# Altium PCB H616_PCB.PcbDoc
Units mil, origin at the board's own origin, x right, y up, seen from the top; angles counter-clockwise.
Board outline 6000 x 4000 mil, 2 copper layers (Top Layer, Bottom Layer); 145 components, 200 nets, 1370 pads, 0 vias.
Unrouted connection lines stored in the file: 662.
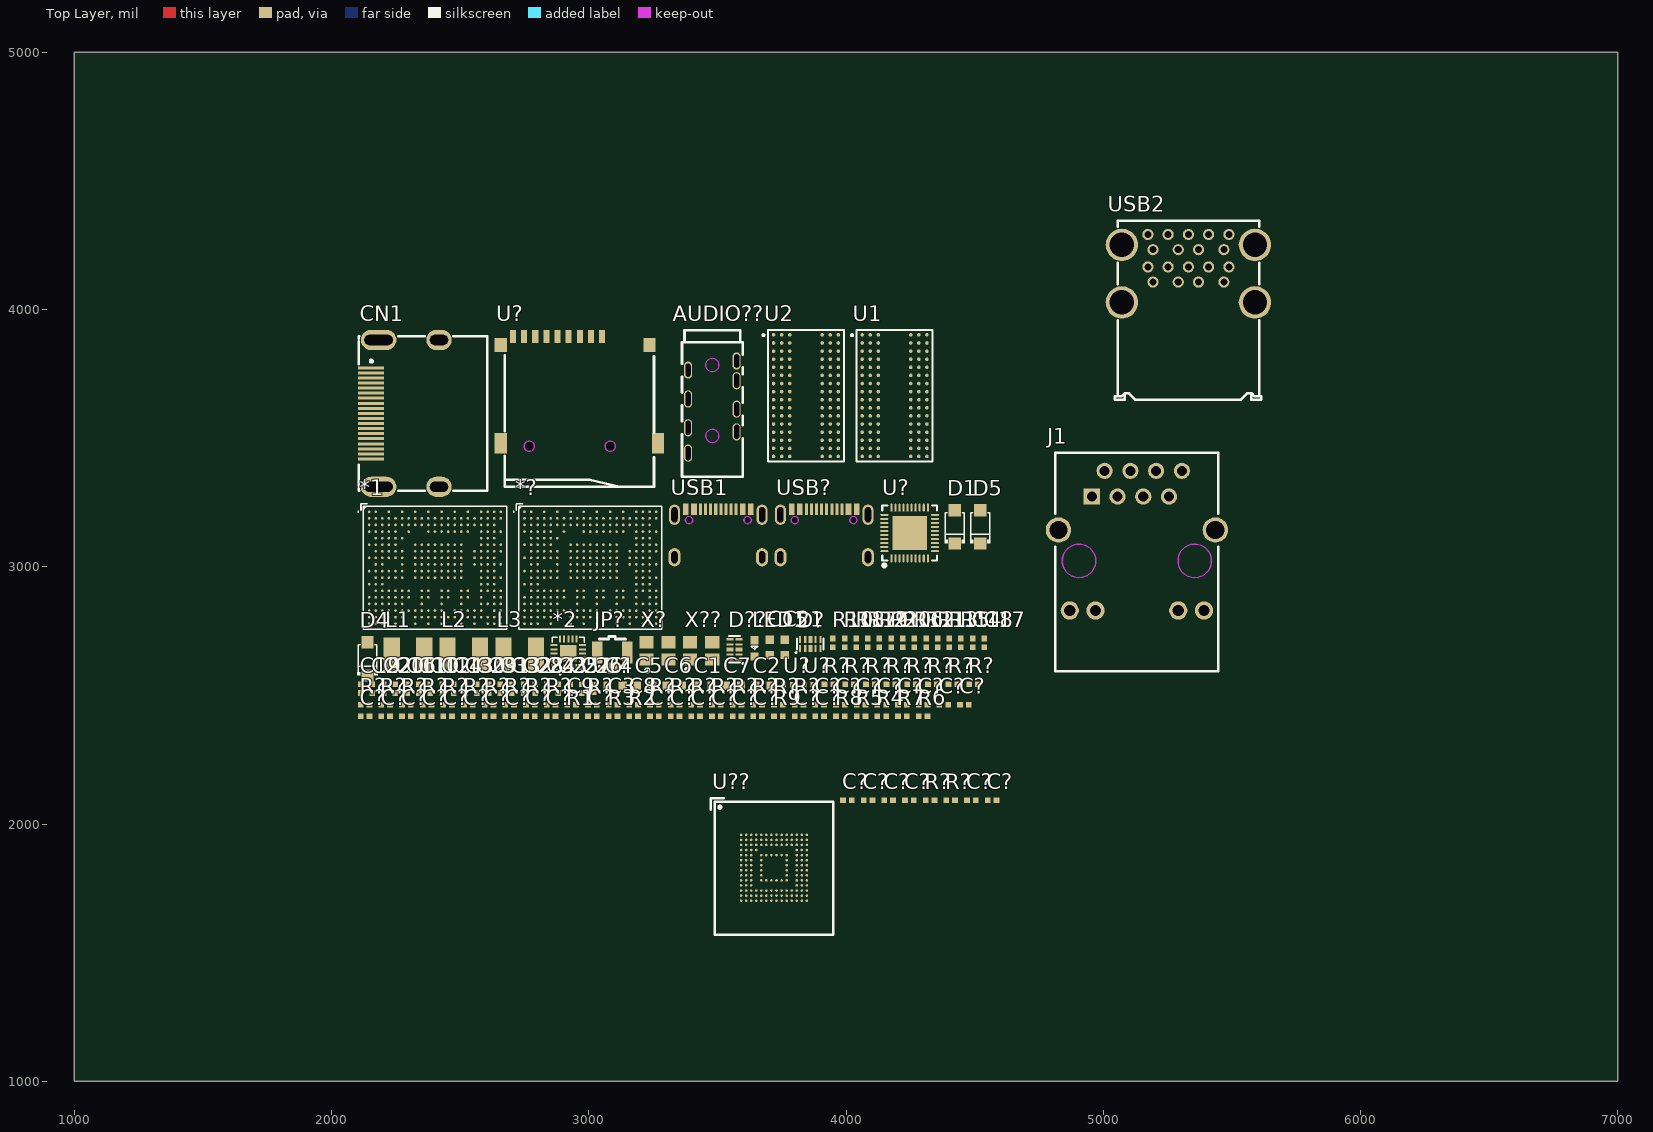
[diagram p0: Top Layer view]
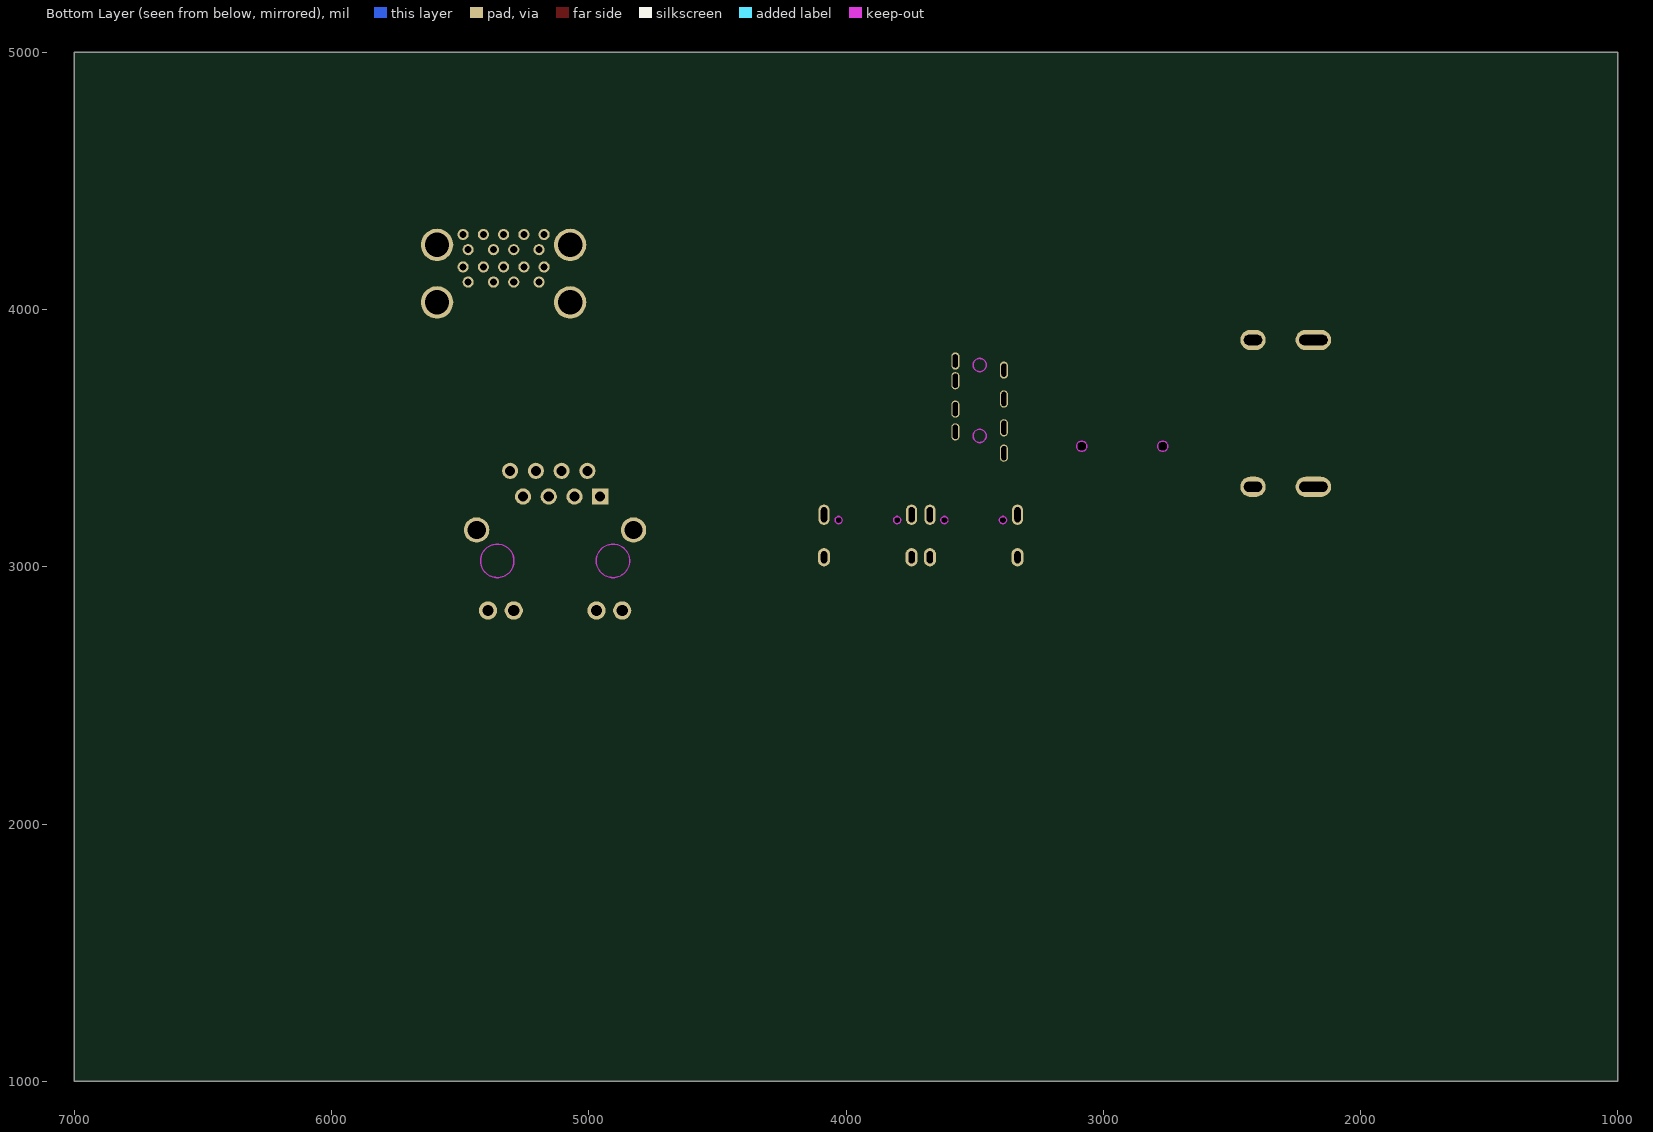
[diagram p1: Bottom Layer view, seen from below]

## Layer stack, top to bottom
Top Solder: solder mask 0.4, Solder Resist, Dk 3.5
Top Layer: signal copper 1.4
Dielectric 1: dielectric 12.6, FR-4, Dk 4.8
Bottom Layer: signal copper 1.4
Bottom Solder: solder mask 0.4, Solder Resist, Dk 3.5

## Board outline
1000,1000 7000,1000 7000,5000 1000,5000

## Design rules (kind name [scope] priority, off if disabled: settings)
Clearance [All] p1: gap=10 ignorepadtopadclearanceinfootprint=FALSE
PolygonConnect [All] p1: connectstyle=Relief reliefconductorwidth=10 reliefentries=4 polygonreliefangle="90 Angle" airgapwidth=10
RoutingVias [All] p1: holewidth=28 width=50 viastyle="Through Hole" minholewidth=28 minwidth=50 maxholewidth=28 maxwidth=50
SolderMaskExpansion [All] p1: expansion=4 istentingtop=FALSE
SupplyNets "Schematic Supply Nets_8" [InNet('VCC_DRAM')] p1: voltage=0.000
SupplyNets "Schematic Supply Nets_7" [InNet('VDD_3V3')] p2: voltage=0.000
SupplyNets "Schematic Supply Nets_6" [InNet('GND')] p3: voltage=0.000
SupplyNets "Schematic Supply Nets_5" [InNet('VDD_GPU')] p4: voltage=0.000
SupplyNets "Schematic Supply Nets_4" [InNet('HDMI_5V')] p5: voltage=0.000
SupplyNets "Schematic Supply Nets_3" [InNet('VCC_5V')] p6: voltage=0.000
SupplyNets "Schematic Supply Nets_2" [InNet('VDD_1V8')] p7: voltage=0.000
SupplyNets "Schematic Supply Nets_1" [InNet('VBUS')] p8: voltage=0.000
SupplyNets "Schematic Supply Nets" [InNet('VDD_CPU')] p9: voltage=0.000
Width [All] p1: maxlimit=10 minlimit=10 preferedwidth=10
30 further rules are at their usual default settings.

## Classes and differential pairs
component class WiFi_TF_EMMC: C? JP? R? U? U?? X?
component class "SoC SDIO": *? R?
component class "SoC ETH USB HDMI HPJ": AUDIO?? C32 C33 C? CN1 D4 D5 D? D?? J1 R14 R15 R16 R17 R18 R19 R20 R21 R? U? U?? USB2 USB? X??
component class "SoC_PWR & POWER": *2 C1 C2 C3 C4 C5 C6 C7 C8 C9 C10 C11 C12 C13 C14 C15 C16 C17 C18 C19 C20 C21 C22 C23 C24 C25 C26 C27 C28 C29 C30 C31 D1 L1 L2 L3 LED1 R7 R8 R9 R10 R11 R12 R13 USB1
component class "SoC_DDR & DDR3": *1 R1 R2 R3 R4 R5 R6 U1 U2

## Components (designator, comment, footprint, x,y, rotation, side; value= is the part's Value field where it differs from the comment)
*1 "H616-BGA-190823" BGA-284_L14.0-W12.0-P0.65-TL 2402.21,2996.17 r0 top
*2 "AXP1530" QFN-20_L3.0-W3.0-P0.40-BL-EP1.7 2920.35,2663.45 r0 top
*? "H616-BGA-190823" BGA-284_L14.0-W12.0-P0.65-TL 3006.01,2996.17 r0 top
AUDIO?? "PJ-3930-8A" AUDIO-TH_PJ-3930-8A 3480.46,3620.83 r0 top
C1 "47uF" C0603 3447.6,2537.46 r0 top
C2 "47uF" C0603 3677.74,2537.46 r0 top
C3 "4.7uF" C0402 3095.06,2463.68 r0 top
C4 "47uF" C0603 3102.39,2537.46 r0 top
C5 "47uF" C0603 3217.46,2537.46 r0 top
C6 "47uF" C0603 3332.53,2537.46 r0 top
C7 "47uF" C0603 3562.67,2537.46 r0 top
C8 "1uF" C0402 3175.41,2463.68 r0 top
C9 "100nF" C0402 2934.36,2463.68 r0 top
C10 "100nF" C0402 2338.73,2526.98 r90 top
C11 "100nF" C0402 2293.47,2526.98 r90 top
C12 "100nF" C0402 2383.99,2526.98 r90 top
C13 "100nF" C0402 2474.51,2526.98 r90 top
C14 "100nF" C0402 2429.25,2526.98 r90 top
C15 "22uF" C0603 3703.6,2686.41 r90 top
C16 "100nF" C0402 2248.21,2526.98 r90 top
C17 "100nF" C0402 4537.23,2704.46 r90 top
C18 "100nF" C0402 4491.97,2704.46 r90 top
C19 "100nF" C0402 2112.43,2526.98 r90 top
C20 "100nF" C0402 2202.95,2526.98 r90 top
C21 "22uF" C0603 3761.61,2686.41 r90 top
C22 "100nF" C0402 2157.69,2526.98 r90 top
C23 "100nF" C0402 2836.59,2526.98 r90 top
C24 "100nF" C0402 2791.33,2526.98 r90 top
C25 "100nF" C0402 2881.85,2526.98 r90 top
C26 "100nF" C0402 2972.37,2526.98 r90 top
C27 "100nF" C0402 2927.11,2526.98 r90 top
C28 "100nF" C0402 2746.07,2526.98 r90 top
C29 "100nF" C0402 2565.03,2526.98 r90 top
C30 "100nF" C0402 2519.77,2526.98 r90 top
C31 "100nF" C0402 2610.29,2526.98 r90 top
C32 "100nF" C0402 2700.81,2526.98 r90 top
C33 "100nF" C0402 2655.55,2526.98 r90 top
C? "2.2uF" C0402 4568.36,2092.57 r0 top
C? "2.2uF" C0402 4488.01,2092.57 r0 top
C? "2.2uF" C0402 4086.26,2092.57 r0 top
C? "2.2uF" C0402 4005.91,2092.57 r0 top
C? "2.2uF" C0402 4246.96,2092.57 r0 top
C? "2.2uF" C0402 4166.61,2092.57 r0 top
C? "4.7uF" C0402 3416.46,2418.42 r0 top
C? "470nF" C0402 3336.11,2418.42 r0 top
C? "220nF" C0402 3577.16,2418.42 r0 top
C? "1uF" C0402 3496.81,2418.42 r0 top
C? "1uF" C0402 3255.76,2418.42 r0 top
C? "22pF" C0402 3014.71,2418.42 r0 top
C? "1uF" C0402 3657.51,2418.42 r0 top
C? "470nF" C0402 3898.56,2418.42 r0 top
C? "22pF" C0402 3818.21,2418.42 r0 top
C? "4.7uF" C0402 4380.66,2463.68 r0 top
C? "2.2uF" C0402 4300.31,2463.68 r0 top
C? "100nF" C0402 2130.86,2418.42 r0 top
C? "100nF" C0402 4461.01,2463.68 r0 top
C? "1uF" C0402 4219.96,2463.68 r0 top
C? "1uF" C0402 3978.91,2463.68 r0 top
C? "22pF" C0402 3898.56,2463.68 r0 top
C? "1uF" C0402 4139.61,2463.68 r0 top
C? "100nF" C0402 4059.26,2463.68 r0 top
C? "1uF" C0402 2693.31,2418.42 r0 top
C? "1uF" C0402 2612.96,2418.42 r0 top
C? "1uF" C0402 2854.01,2418.42 r0 top
C? "NC" C0402 2371.91,2418.42 r0 top
C? "NC" C0402 2452.26,2418.42 r0 top
C? "100nF" C0402 2211.21,2418.42 r0 top
C? "1uF" C0402 2291.56,2418.42 r0 top
C? "22pF" C0402 2532.61,2418.42 r0 top
C? "1uF" C0402 2773.66,2418.42 r0 top
CN1 "KH-HDMI-19P-Cu" HDMI-SMD_KH-HDMI-19P-CU 2285.47,3596.2 r90 top
D1 "DSK24" SOD-123FL_L2.7-W1.8-LS3.8-RD 4422.76,3155.4 r90 top
D4 "DSK24" SOD-123FL_L2.7-W1.8-LS3.8-RD 2139.47,2641.96 r90 top
D5 "DSK24" SOD-123FL_L2.7-W1.8-LS3.8-RD 4521.69,3155.4 r90 top
D? "RClamp0524PATCT" SLP2510P8_L2.5-W1.0-P0.50-BL 3861.3,2699.23 r0 top
D?? "RClamp0524PATCT" SLP2510P8_L2.5-W1.0-P0.50-BL 3566.46,2678.83 r90 top
J1 "HR911105A_C12074" RJ45-TH_HR911105A 5130.83,3101.46 r0 top
JP? "6GHz" RF-SMD_FRF05002-JSS103M 3091.56,2636.44 r0 top
L1 "1uH" IND-SMD_L4.0-W4.0 2297.42,2655.7 r0 top
L2 "1uH" IND-SMD_L4.0-W4.0 2514.39,2655.7 r0 top
L3 "1uH" IND-SMD_L4.0-W4.0 2731.36,2655.7 r0 top
LED1 "KT-0603B" LED0603-BL 3644.84,2687.73 r90 top
R1 "100Ω" R0402 2933.68,2418.23 r0 top
R2 "240Ω" R0402 3174.72,2418.23 r0 top
R3 "240Ω" R0402 3094.38,2418.23 r0 top
R4 "240Ω" R0402 4138.93,2418.23 r0 top
R5 "240Ω" R0402 4058.57,2418.23 r0 top
R6 "240Ω" R0402 4299.62,2418.23 r0 top
R7 "5.1kΩ" R0402 4219.27,2418.23 r0 top
R8 "5.1kΩ" R0402 3978.22,2418.23 r0 top
R9 "10kΩ" R0402 3737.18,2418.23 r0 top
R10 "2kΩ" R0402 3949.05,2703.78 r90 top
R11 "2kΩ" R0402 4311.13,2703.78 r90 top
R12 "10kΩ" R0402 4265.87,2703.78 r90 top
R13 "2kΩ" R0402 4356.39,2703.78 r90 top
R14 "100Ω" R0402 4446.91,2703.78 r90 top
R15 "27kΩ" R0402 4401.65,2703.78 r90 top
R16 "510Ω" R0402 4220.61,2703.78 r90 top
R17 "100Ω" R0402 4039.57,2703.78 r90 top
R18 "100kΩ" R0402 3994.31,2703.78 r90 top
R19 "10kΩ" R0402 4084.83,2703.78 r90 top
R20 "100Ω" R0402 4175.35,2703.78 r90 top
R21 "10kΩ" R0402 4130.09,2703.78 r90 top
R? "10kΩ" R0402 4406.97,2092.37 r0 top
R? "33Ω" R0402 4326.62,2092.37 r0 top
R? "22Ω" R0402 3014.03,2463.49 r0 top
R? "22Ω" R0402 2692.62,2463.49 r0 top
R? "22Ω" R0402 2772.97,2463.49 r0 top
R? "22Ω" R0402 2853.32,2463.49 r0 top
R? "5.1kΩ" R0402 3576.47,2463.49 r0 top
R? "22Ω" R0402 3656.82,2463.49 r0 top
R? "22Ω" R0402 3737.18,2463.49 r0 top
R? "0Ω" R0402 3496.12,2463.49 r0 top
R? "6.04kΩ" R0402 3255.07,2463.49 r0 top
R? "22Ω" R0402 3335.43,2463.49 r0 top
R? "75Ω" R0402 3415.78,2463.49 r0 top
R? "5.1kΩ" R0402 2612.28,2463.49 r0 top
R? "150kΩ" R0402 4335.56,2543.84 r0 top
R? "22Ω" R0402 4255.21,2543.84 r0 top
R? "47kΩ" R0402 4415.91,2543.84 r0 top
R? "10Ω" R0402 4174.86,2543.84 r0 top
R? "47kΩ" R0402 3933.81,2543.84 r0 top
R? "47kΩ" R0402 4014.16,2543.84 r0 top
R? "47kΩ" R0402 4094.51,2543.84 r0 top
R? "47kΩ" R0402 2371.22,2463.49 r0 top
R? "47kΩ" R0402 2451.57,2463.49 r0 top
R? "33Ω" R0402 2531.93,2463.49 r0 top
R? "22Ω" R0402 2290.88,2463.49 r0 top
R? "22Ω" R0402 4496.26,2543.84 r0 top
R? "47kΩ" R0402 2130.18,2463.49 r0 top
R? "0Ω" R0402 2210.53,2463.49 r0 top
R? "47kΩ" R0402 3817.53,2463.49 r0 top
U1 "H5TQ4G63EFR-RDC" TFBGA-96_L13.0-W7.5-R16-C6-P0.80-TL 4188.71,3665.15 r0 top
U2 "H5TQ4G63EFR-RDC" TFBGA-96_L13.0-W7.5-R16-C6-P0.80-TL 3844.25,3665.15 r0 top
U? "ESD5451N" DFN1006-2L-BI 3774.87,2541.64 r0 top
U? "ESD5451N" DFN1006-2L-BI 3854.05,2541.64 r0 top
U? "TF-01A_C91145" TF-SMD_TF-01A 2963.6,3687.69 r0 top
U? "XR829" QFN-40_L5.0-W5.0-P0.40-BL-EP3.4 4247.18,3131.27 r0 top
U?? "KLM8G1GETF-B041" FBGA-153_L13.0-W11.5-P0.50_KLMAG1JETD-B041 3720,1830 r0 top
U?? "ESD5451N" DFN1006-2L-BI 3020.03,2526.88 r90 top
USB1 "TYPE-C 16PIN 2MD(073)" USB-C-SMD_TYPE-C-6PIN-2MD-073 3503.46,3090.26 r0 top
USB2 "USB-303WSD-BRY" USB-A-TH_XUNPU_USB-303WSD-BRY 5330.99,4159.8 r0 top
USB? "TYPE-C 16PIN 2MD(073)" USB-C-SMD_TYPE-C-6PIN-2MD-073 3915.2,3090.26 r0 top
X? "40MHz" OSC-SMD_4P-L3.2-W2.5-BL_SIT8008BI 3267.14,2672.86 r0 top
X?? "24MHz" CRYSTAL-SMD_4P-L3.2-W2.5-BL 3436.87,2672.86 r0 top

## Footprints (in the part's own frame and the unit in brackets; to place one, negate y for a bottom-side part, rotate by r counter-clockwise, add the part's x,y. Pads: shape width x height; smd on the part's side, far side on the other; paste and mask are expansions set on the pad)
AUDIO-TH_PJ-3930-8A [mm]
  oval 0.8x1.7 hole 0.5 slot 1.3 at 90 deg copper offset 0,0.001 paste-2539.97 mask+0.05: 1(-2.4,3.649) 8(2.4,4.549)
  oval 0.8x1.7 hole 0.5 slot 1.4 at 90 deg copper offset 0,-0.001 paste-2539.97 mask+0.05: 2(2.4,-2.449) 3(-2.4,-2.049) 7(2.4,2.601)
  oval 0.8x1.7 hole 0.5 slot 1.4 at 90 deg copper offset 0,0.001 paste-2539.97 mask+0.05: 4(-2.4,0.799) 5(-2.4,-4.551)
  oval 0.8x1.7 hole 0.5 slot 1.4 at 90 deg copper offset 0,0 paste-2539.97 mask+0.05: 6(2.4,-0.2)
  Keep-Out Layer circle w0.003: c0,4.15 r0.65
  Keep-Out Layer circle w0.003: c0,-2.85 r0.65
  Keep-Out Layer region: 0.65,4.15 0.65,4.065 0.606,3.899 0.52,3.751 0.399,3.63 0.251,3.544 0.086,3.5 -0.086,3.5 -0.251,3.544 -0.399,3.63 -0.52,3.751 -0.606,3.899 -0.65,4.065 -0.65,4.15 -0.65,4.236 -0.606,4.401 -0.52,4.549 -0.399,4.67 -0.251,4.756 -0.086,4.8 0.086,4.8 0.251,4.756 0.399,4.67 0.52,4.549 0.606,4.401 0.65,4.236 0.65,4.15 0.65,4.15
  Keep-Out Layer region: 0.65,4.15 0.65,4.065 0.606,3.899 0.52,3.751 0.399,3.63 0.251,3.544 0.086,3.5 -0.086,3.5 -0.251,3.544 -0.399,3.63 -0.52,3.751 -0.606,3.899 -0.65,4.065 -0.65,4.15 -0.65,4.236 -0.606,4.401 -0.52,4.549 -0.399,4.67 -0.251,4.756 -0.086,4.8 0.086,4.8 0.251,4.756 0.399,4.67 0.52,4.549 0.606,4.401 0.65,4.236 0.65,4.15 0.65,4.15
  Keep-Out Layer region: 0.65,-2.85 0.65,-2.935 0.606,-3.101 0.52,-3.249 0.399,-3.37 0.251,-3.455 0.086,-3.5 -0.086,-3.5 -0.251,-3.455 -0.399,-3.37 -0.52,-3.249 -0.606,-3.101 -0.65,-2.935 -0.65,-2.85 -0.65,-2.764 -0.606,-2.599 -0.52,-2.451 -0.399,-2.33 -0.251,-2.244 -0.086,-2.2 0.086,-2.2 0.251,-2.244 0.399,-2.33 0.52,-2.451 0.606,-2.599 0.65,-2.764 0.65,-2.85 0.65,-2.85
  Keep-Out Layer region: 0.65,-2.85 0.65,-2.935 0.606,-3.101 0.52,-3.249 0.399,-3.37 0.251,-3.455 0.086,-3.5 -0.086,-3.5 -0.251,-3.455 -0.399,-3.37 -0.52,-3.249 -0.606,-3.101 -0.65,-2.935 -0.65,-2.85 -0.65,-2.764 -0.606,-2.599 -0.52,-2.451 -0.399,-2.33 -0.251,-2.244 -0.086,-2.2 0.086,-2.2 0.251,-2.244 0.399,-2.33 0.52,-2.451 0.606,-2.599 0.65,-2.764 0.65,-2.85 0.65,-2.85
  silkscreen extent -3,-6.9 3,7.6, body extent -4.16,-6.97 4.34,7.33, height 4.83
BGA-284_L14.0-W12.0-P0.65-TL [mm]
  round 0.256 smd paste-100 mask+0.05: A1(-6.5,5.525) A2(-5.85,5.525) A4(-4.55,5.525) A6(-3.25,5.525) A8(-1.95,5.525) A10(-0.65,5.525) A12(0.65,5.525) A14(1.95,5.525) A16(3.25,5.525) A18(4.55,5.525) A19(5.2,5.525) A20(5.85,5.525) A21(6.5,5.525) B1(-6.5,4.875) B2(-5.85,4.875) B3(-5.2,4.875) B4(-4.55,4.875) B5(-3.9,4.875) B6(-3.25,4.875) B7(-2.6,4.875) B8(-1.95,4.875) B9(-1.3,4.875) B10(-0.65,4.875) B11(0,4.875) B12(0.65,4.875) B13(1.3,4.875) B14(1.95,4.875) B15(2.6,4.875) B16(3.25,4.875) B17(3.9,4.875) B18(4.55,4.875) B19(5.2,4.875) B20(5.85,4.875) B21(6.5,4.875) C1(-6.5,4.225) C2(-5.85,4.225) C3(-5.2,4.225) C4(-4.55,4.225) C5(-3.9,4.225) C6(-3.25,4.225) C7(-2.6,4.225) C8(-1.95,4.225) C9(-1.3,4.225) C10(-0.65,4.225) C11(0,4.225) C12(0.65,4.225) C13(1.3,4.225) C14(1.95,4.225) C15(2.6,4.225) C16(3.25,4.225) C17(3.9,4.225) C18(4.55,4.225) C19(5.2,4.225) C20(5.85,4.225) D1(-6.5,3.575) D2(-5.85,3.575) D3(-5.2,3.575) D4(-4.55,3.575) D5(-3.9,3.575) D7(-2.6,3.575) D10(-0.65,3.575) D11(0,3.575) D12(0.65,3.575) D13(1.3,3.575) D14(1.95,3.575) D15(2.6,3.575) D16(3.25,3.575) D18(4.55,3.575) D19(5.2,3.575) D20(5.85,3.575) D21(6.5,3.575) E2(-5.85,2.925) E3(-5.2,2.925) E4(-4.55,2.925) E5(-3.9,2.925) E6(-3.25,2.925) E18(4.55,2.925) E19(5.2,2.925) E20(5.85,2.925) F1(-6.5,2.275) F2(-5.85,2.275) F3(-5.2,2.275) F4(-4.55,2.275) F5(-3.9,2.275) F8(-1.95,2.275) F9(-1.3,2.275) F10(-0.65,2.275) F11(0,2.275) F12(0.65,2.275) F13(1.3,2.275) F14(1.95,2.275) F15(2.6,2.275) F18(4.55,2.275) F19(5.2,2.275) F20(5.85,2.275) F21(6.5,2.275) G2(-5.85,1.625) G3(-5.2,1.625) G4(-4.55,1.625) G5(-3.9,1.625) G6(-3.25,1.625) G8(-1.95,1.625) G9(-1.3,1.625) G10(-0.65,1.625) G11(0,1.625) G12(0.65,1.625) G13(1.3,1.625) G14(1.95,1.625) G15(2.6,1.625) G17(3.9,1.625) G18(4.55,1.625) G19(5.2,1.625) G20(5.85,1.625) G21(6.5,1.625) H1(-6.5,0.975) H2(-5.85,0.975) H3(-5.2,0.975) H4(-4.55,0.975) H5(-3.9,0.975) H6(-3.25,0.975) H8(-1.95,0.975) H9(-1.3,0.975) H10(-0.65,0.975) H11(0,0.975) H12(0.65,0.975) H13(1.3,0.975) H14(1.95,0.975) H15(2.6,0.975) H17(3.9,0.975) H18(4.55,0.975) H19(5.2,0.975) H20(5.85,0.975) J2(-5.85,0.325) J3(-5.2,0.325) J6(-3.25,0.325) J8(-1.95,0.325) J9(-1.3,0.325) J10(-0.65,0.325) J11(0,0.325) J12(0.65,0.325) J13(1.3,0.325) J14(1.95,0.325) J15(2.6,0.325) J17(3.9,0.325) J18(4.55,0.325) J19(5.2,0.325) J20(5.85,0.325) J21(6.5,0.325) K1(-6.5,-0.325) K2(-5.85,-0.325) K3(-5.2,-0.325) K4(-4.55,-0.325) K5(-3.9,-0.325) K6(-3.25,-0.325) K8(-1.95,-0.325) K9(-1.3,-0.325) K10(-0.65,-0.325) K11(0,-0.325) K12(0.65,-0.325) K13(1.3,-0.325) K14(1.95,-0.325) K15(2.6,-0.325) K18(4.55,-0.325) K19(5.2,-0.325) K20(5.85,-0.325) L2(-5.85,-0.975) L3(-5.2,-0.975) L4(-4.55,-0.975) L5(-3.9,-0.975) L6(-3.25,-0.975) L8(-1.95,-0.975) L9(-1.3,-0.975) L10(-0.65,-0.975) L11(0,-0.975) L12(0.65,-0.975) L13(1.3,-0.975) L14(1.95,-0.975) L15(2.6,-0.975) L18(4.55,-0.975) L19(5.2,-0.975) L20(5.85,-0.975) L21(6.5,-0.975) M1(-6.5,-1.625) M2(-5.85,-1.625) M3(-5.2,-1.625) M18(4.55,-1.625) M19(5.2,-1.625) M20(5.85,-1.625) N2(-5.85,-2.275) N3(-5.2,-2.275) N4(-4.55,-2.275) N5(-3.9,-2.275) N6(-3.25,-2.275) N7(-2.6,-2.275) N9(-1.3,-2.275) N10(-0.65,-2.275) N12(0.65,-2.275) N13(1.3,-2.275) N15(2.6,-2.275) N16(3.25,-2.275) N18(4.55,-2.275) N19(5.2,-2.275) N20(5.85,-2.275) N21(6.5,-2.275) P1(-6.5,-2.925) P2(-5.85,-2.925) P3(-5.2,-2.925) P4(-4.55,-2.925) P5(-3.9,-2.925) P6(-3.25,-2.925) P7(-2.6,-2.925) P9(-1.3,-2.925) P10(-0.65,-2.925) P12(0.65,-2.925) P13(1.3,-2.925) P15(2.6,-2.925) P16(3.25,-2.925) P18(4.55,-2.925) P20(5.85,-2.925) P21(6.5,-2.925) R1(-6.5,-3.575) R2(-5.85,-3.575) R3(-5.2,-3.575) R4(-4.55,-3.575) R5(-3.9,-3.575) R6(-3.25,-3.575) R9(-1.3,-3.575) R12(0.65,-3.575) R15(2.6,-3.575) R18(4.55,-3.575) R19(5.2,-3.575) R20(5.85,-3.575) R21(6.5,-3.575) T1(-6.5,-4.225) T2(-5.85,-4.225) T3(-5.2,-4.225) T4(-4.55,-4.225) T5(-3.9,-4.225) T6(-3.25,-4.225) T7(-2.6,-4.225) T8(-1.95,-4.225) T9(-1.3,-4.225) T10(-0.65,-4.225) T11(0,-4.225) T12(0.65,-4.225) T14(1.95,-4.225) T15(2.6,-4.225) T16(3.25,-4.225) T17(3.9,-4.225) T18(4.55,-4.225) T20(5.85,-4.225) T21(6.5,-4.225) U1(-6.5,-4.875) U2(-5.85,-4.875) U3(-5.2,-4.875) U4(-4.55,-4.875) U5(-3.9,-4.875) U6(-3.25,-4.875) U8(-1.95,-4.875) U9(-1.3,-4.875) U10(-0.65,-4.875) U11(0,-4.875) U12(0.65,-4.875) U13(1.3,-4.875) U14(1.95,-4.875) U15(2.6,-4.875) U16(3.25,-4.875) U17(3.9,-4.875) U18(4.55,-4.875) U19(5.2,-4.875) U20(5.85,-4.875) U21(6.5,-4.875) V1(-6.5,-5.525) V2(-5.85,-5.525) V3(-5.2,-5.525) V5(-3.9,-5.525) V8(-1.95,-5.525) V10(-0.65,-5.525) V12(0.65,-5.525) V15(2.6,-5.525) V17(3.9,-5.525) V19(5.2,-5.525) V20(5.85,-5.525) V21(6.5,-5.525)
  silkscreen extent -7.63,-6.08 7.08,6.3, body extent -6.98,-6.1 6.98,5.97, height 0.2
C0402 [mm]
  rect 0.566x0.54 smd paste-100 mask+0.051: 1(-0.45,-0.005) 2(0.415,-0.005)
  body extent -0.48,-0.25 0.52,0.25, height 0.5
C0603 [mil]
  rect 31.75x34.02 smd paste-3937.01 mask+2: 1(-29.66,0) 2(29.66,0)
  body extent -31,-16 31,16, height 20
CRYSTAL-SMD_4P-L3.2-W2.5-BL [mm]
  rect 1.4x1.2 smd: 1(-1.1,-0.85) 2(1.1,-0.85) 3(1.1,0.85) 4(-1.1,0.85)
  silkscreen extent -1.55,-2.03 -1.25,-1.73, body extent -1.6,-1.38 1.6,1.12, height 1.2
DFN1006-2L-BI [mm]
  rect 0.45x0.55 smd: 1(-0.425,0) 2(0.425,0)
  body extent -0.5,-0.29 0.5,0.31, height 0.32
FBGA-153_L13.0-W11.5-P0.50_KLMAG1JETD-B041 [mm]
  round 0.25 smd paste-100 mask+0.05: A1(-3.25,3.25) A2(-2.75,3.25) A3(-2.25,3.25) A4(-1.75,3.25) A5(-1.25,3.25) A6(-0.75,3.25) A7(-0.25,3.25) A8(0.25,3.25) A9(0.75,3.25) A10(1.25,3.25) A11(1.75,3.25) A12(2.25,3.25) A13(2.75,3.25) A14(3.25,3.25) B1(-3.25,2.75) B2(-2.75,2.75) B3(-2.25,2.75) B4(-1.75,2.75) B5(-1.25,2.75) B6(-0.75,2.75) B7(-0.25,2.75) B8(0.25,2.75) B9(0.75,2.75) B10(1.25,2.75) B11(1.75,2.75) B12(2.25,2.75) B13(2.75,2.75) B14(3.25,2.75) C1(-3.25,2.25) C2(-2.75,2.25) C3(-2.25,2.25) C4(-1.75,2.25) C5(-1.25,2.25) C6(-0.75,2.25) C7(-0.25,2.25) C8(0.25,2.25) C9(0.75,2.25) C10(1.25,2.25) C11(1.75,2.25) C12(2.25,2.25) C13(2.75,2.25) C14(3.25,2.25) D1(-3.25,1.75) D2(-2.75,1.75) D3(-2.25,1.75) D4(-1.75,1.75) D12(2.25,1.75) D13(2.75,1.75) D14(3.25,1.75) E1(-3.25,1.25) E2(-2.75,1.25) E3(-2.25,1.25) E5(-1.25,1.25) E6(-0.75,1.25) E7(-0.25,1.25) E8(0.25,1.25) E9(0.75,1.25) E10(1.25,1.25) E12(2.25,1.25) E13(2.75,1.25) E14(3.25,1.25) F1(-3.25,0.75) F2(-2.75,0.75) F3(-2.25,0.75) F5(-1.25,0.75) F10(1.25,0.75) F12(2.25,0.75) F13(2.75,0.75) F14(3.25,0.75) G1(-3.25,0.25) G2(-2.75,0.25) G3(-2.25,0.25) G5(-1.25,0.25) G10(1.25,0.25) G12(2.25,0.25) G13(2.75,0.25) G14(3.25,0.25) H1(-3.25,-0.25) H2(-2.75,-0.25) H3(-2.25,-0.25) H5(-1.25,-0.25) H10(1.25,-0.25) H12(2.25,-0.25) H13(2.75,-0.25) H14(3.25,-0.25) J1(-3.25,-0.75) J2(-2.75,-0.75) J3(-2.25,-0.75) J5(-1.25,-0.75) J10(1.25,-0.75) J12(2.25,-0.75) J13(2.75,-0.75) J14(3.25,-0.75) K1(-3.25,-1.25) K2(-2.75,-1.25) K3(-2.25,-1.25) K5(-1.25,-1.25) K6(-0.75,-1.25) K7(-0.25,-1.25) K8(0.25,-1.25) K9(0.75,-1.25) K10(1.25,-1.25) K12(2.25,-1.25) K13(2.75,-1.25) K14(3.25,-1.25) L1(-3.25,-1.75) L2(-2.75,-1.75) L3(-2.25,-1.75) L12(2.25,-1.75) L13(2.75,-1.75) L14(3.25,-1.75) M1(-3.25,-2.25) M2(-2.75,-2.25) M3(-2.25,-2.25) M4(-1.75,-2.25) M5(-1.25,-2.25) M6(-0.75,-2.25) M7(-0.25,-2.25) M8(0.25,-2.25) M9(0.75,-2.25) M10(1.25,-2.25) M11(1.75,-2.25) M12(2.25,-2.25) M13(2.75,-2.25) M14(3.25,-2.25) N1(-3.25,-2.75) N2(-2.75,-2.75) N3(-2.25,-2.75) N4(-1.75,-2.75) N5(-1.25,-2.75) N6(-0.75,-2.75) N7(-0.25,-2.75) N8(0.25,-2.75) N9(0.75,-2.75) N10(1.25,-2.75) N11(1.75,-2.75) N12(2.25,-2.75) N13(2.75,-2.75) N14(3.25,-2.75) P1(-3.25,-3.25) P2(-2.75,-3.25) P3(-2.25,-3.25) P4(-1.75,-3.25) P5(-1.25,-3.25) P6(-0.75,-3.25) P7(-0.25,-3.25) P8(0.25,-3.25) P9(0.75,-3.25) P10(1.25,-3.25) P11(1.75,-3.25) P12(2.25,-3.25) P13(2.75,-3.25) P14(3.25,-3.25)
  silkscreen extent -6.22,-6.61 5.84,6.86, body extent -5.84,-6.6 5.84,6.48, height 0.25
HDMI-SMD_KH-HDMI-19P-CU [mm]
  rect 0.3x2.6 smd paste-100 mask+0.051: 1(4.5,3.36) 2(4,3.36) 3(3.5,3.36) 4(3,3.36) 5(2.5,3.36) 6(2,3.36) 7(1.5,3.36) 8(1,3.36) 9(0.5,3.36) 10(0,3.36) 11(-0.5,3.36) 12(-1,3.36) 13(-1.5,3.36) 14(-2,3.36) 15(-2.5,3.36) 16(-3,3.36) 17(-3.5,3.36) 18(-4,3.36) 19(-4.5,3.36)
  oval 2x3.5 hole 1 slot 2.8 at 90 deg: 20(-7.25,2.6) 21(7.25,2.6)
  oval 2x2.5 hole 1 slot 1.8 at 90 deg: 22(-7.25,-3.36) 23(7.25,-3.36)
  silkscreen extent -7.62,-8.13 7.62,4.57, body extent -7.45,-7.89 7.55,4.31, height 6.29
IND-SMD_L4.0-W4.0 [mm]
  rect 1.6x3.5 smd: 1(-1.6,0) 2(1.6,0)
  body extent -1.97,-2.01 2.03,1.99, height 1.6
LED0603-BL [mm]
  rect 0.8x0.8 smd: 1(-0.926,0) 2(0.672,0)
  silkscreen extent -0.25,-0.32 0.09,0.36, body extent -0.93,-0.4 0.67,0.4, height 0.53
OSC-SMD_4P-L3.2-W2.5-BL_SIT8008BI [mm]
  rect 1.4x1.2 smd: 1(-1.1,-0.85) 2(1.1,-0.85) 3(1.1,0.85) 4(-1.1,0.85)
  silkscreen extent -1.16,-2.08 -0.86,-1.78, body extent -1.6,-1.25 1.6,1.25, height 1.2
QFN-20_L3.0-W3.0-P0.40-BL-EP1.7 [mm]
  rect 0.2x0.665 smd paste-100 mask+0.051: 1(-0.8,-1.407) 2(-0.4,-1.407) 3(0,-1.407) 4(0.4,-1.407) 5(0.8,-1.407) 11(0.8,1.407) 12(0.4,1.407) 13(0,1.407) 14(-0.4,1.407) 15(-0.8,1.407)
  rect 0.665x0.2 smd paste-100 mask+0.051: 6(1.407,-0.8) 7(1.407,-0.4) 8(1.407,0) 9(1.407,0.4) 10(1.407,0.8) 16(-1.407,0.8) 17(-1.407,0.4) 18(-1.407,0) 19(-1.407,-0.4) 20(-1.407,-0.8)
  rect 1.65x1.65 smd paste-100 mask+0.051: 21(0,0)
  silkscreen extent -1.58,-2.11 1.58,1.58, body extent -1.55,-1.52 1.52,1.52, height 0.2